# Altium PCB PLD.PcbDoc (part 5 of 5)
Units mm, origin at the board's own origin, x right, y up, seen from the top; angles counter-clockwise.
Board outline 90.25 x 94.44 mm, 6 copper layers (Top, GND, Signal Layer 1, Power, Signal2, Bottom), stack 1.297 mm thick; 378 components, 254 nets, 1301 pads, 704 vias.
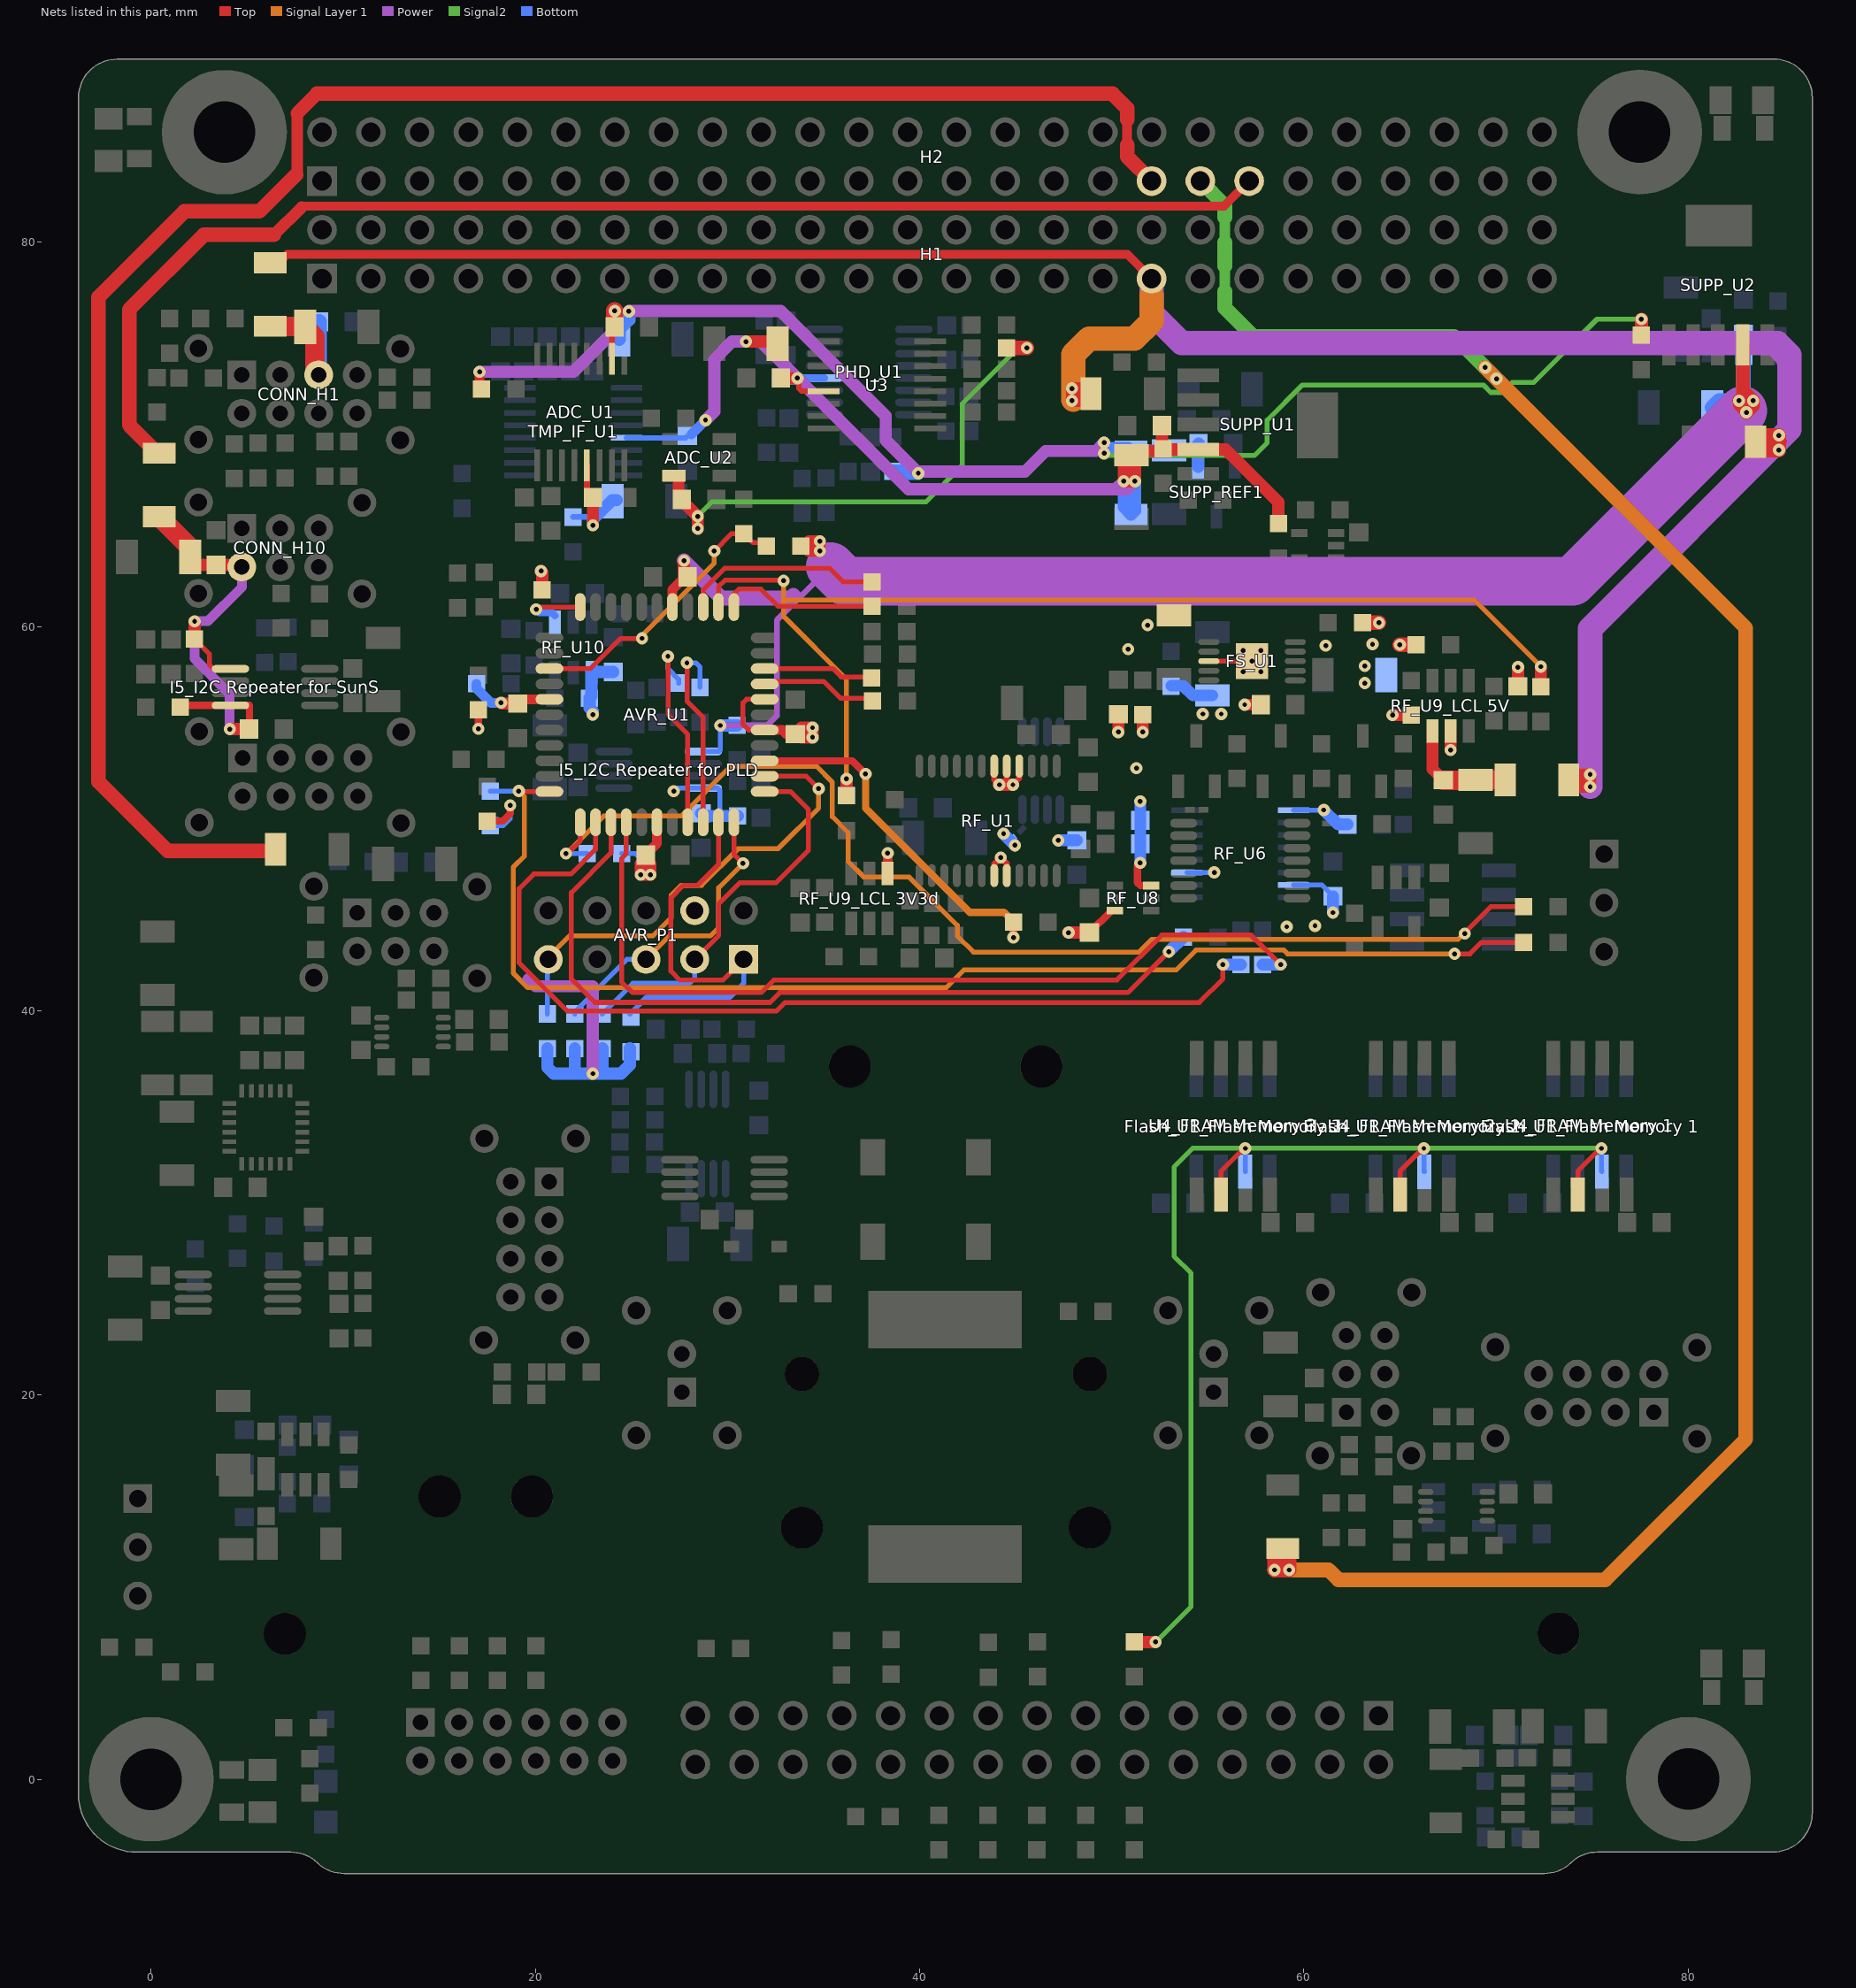
[diagram p9: the nets of this part, all layers, seen from the top]

## Via types
v1: diameter 0.635, hole 0.25, Top to Bottom, 701 vias
v2: diameter 0.7, hole 0.25, Top to Bottom, 3 vias

## Nets (pads, with @x,y where several pads share a name; then routed paths per layer and width w, separated by ;. In a path a pad name is that pad's centre, name@x,y a point inside that pad or via, vN(x,y) a via of type N, cw(c..) or ccw(c..) an arc to the next point about the centre after c; other vN are vias at no path point) (continued)
RADFET_EN: "RF_R9_LCL 3V3d.2" "RF_R9_LCL 5V.2" AVR_U1.35 RF_R13.2 | length 59.9
  Top w0.254: AVR_U1.35@29.528,61.012 29.528,62.07 29.866,62.408 32.711,62.408 32.737,62.383 v1(32.914,62.383)
  Top w0.635: 36.191,51.193 v1(36.191,52.071) ; 72.335,56.857 v1(72.335,57.913)
  Signal Layer 1 w0.254: v1(32.914,62.383) 32.914,61.367 ; v1(36.191,52.071) 36.191,57.252 32.914,60.529 32.914,61.367 ; v1(72.335,57.913) 68.881,61.367 32.914,61.367
  Bottom w0.635: RF_R13.2@36.191,51.193 v1(36.191,52.071)
RadFET_F\A\U\L\T\_3V3: AVR_U1.34 MCU_R17.1 | length 8.4
  Top w0.254: AVR_U1.34@30.328,61.012 30.328,61.697 30.582,61.951 31.738,61.951 32.627,61.062 MCU_R17.1@37.526,61.062
RadFET_F\A\U\L\T\_5V: AVR_U1.36 MCU_R16.1 | length 10.5
  Top w0.254: AVR_U1.36@28.728,61.012 28.728,61.916 29.842,63.031 35.318,63.031 36.017,62.332 MCU_R16.1@37.526,62.332
RADFET_MISO: AVR_U1.31 RF_R25.1 | length 5.8
  Top w0.254: AVR_U1.31@31.928,57.812 35.479,57.812 35.912,57.379 RF_R25.1@37.552,57.379
RADFET_MOSI: AVR_U1.30 RF_R2.1 | length 5.7
  Top w0.254: AVR_U1.30@32.254,57.151 34.997,57.151 35.886,56.262 RF_R2.1@37.552,56.262
RADFET_MUX_A0: AVR_U1.14 RF_R24.1 | length 42.8
  Top w0.254: AVR_U1.14@23.928,49.812 23.928,48.21 21.869,46.152 21.869,41.661 23.093,40.437 32.208,40.437 32.715,40.945 50.835,40.945 v1(52.969,43.078)
  Bottom w0.635: v1(52.969,43.078) RF_R24.1@53.731,43.841
RADFET_MUX_A1: AVR_U1.15 RF_R6.1 | length 45.7
  Top w0.254: AVR_U1.15@24.728,49.812 24.728,48.172 24.486,47.93 24.486,41.504 25.044,40.945 31.75,40.945 32.41,41.605 50.267,41.605 52.603,43.942 57.251,43.942 v1(58.786,42.408)
  Bottom w0.635: RF_R6.1@57.857,42.408 v1(58.786,42.408)
RADFET_MUX_EN: AVR_U1.13 RF_R23.1 | length 50.1
  Top w0.254: AVR_U1.13@23.128,49.812 23.128,48.401 21.844,47.117 19.914,47.117 19.152,46.355 19.152,42.494 20.665,40.981 21.666,39.98 32.538,39.98 32.995,40.437 54.556,40.437 55.785,41.666 v1(55.785,42.408)
  Bottom w0.635: v1(55.785,42.408) RF_R23.1@56.714,42.408
RADFET_TEMP_MUX: AVR_U1.25 RF_R7.1 | length 19.1
  Top w0.381: AVR_U1.25@31.928,53.012 36.494,53.012 v1(37.182,52.325) ; v1(44.882,43.816) RF_R7.1@44.882,44.623
  Signal Layer 1 w0.381: v1(37.182,52.325) 37.182,50.547 42.605,45.124 44.382,45.124 44.882,44.623 v1(44.882,43.816)
RF_5V: "RF_U9_LCL 5V.1" SUPP_C24.1 SUPP_C25.2 SUPP_FB8.2 | length 6
  Top w0.61: 66.686,54.571 66.686,52.574 SUPP_C25.2@67.255,52.005 ; SUPP_C24.1@68.918,52.005 SUPP_C24.1@68.932,52.019
  Top w1.016: SUPP_C25.2@67.255,52.005 SUPP_C24.1@68.918,52.005 ; SUPP_C24.1@68.932,52.019 SUPP_FB8.2@70.482,52.02 SUPP_FB8.2@70.482,52.02
RF_AGND: "RF_C22_LCL 5V.2" "RF_R19_LCL 5V.1" "RF_R20_LCL 5V.1" "RF_U9_LCL 5V.2" ADC_J2.1 FS_U1.8 FS_U1.11 RF_C5.2 RF_C9.1 RF_C10.2 RF_C11.2 RF_C12.2 RF_C13.2 RF_C14.2 RF_C15.2 RF_C16.2 RF_C17.1 RF_C19.2 RF_J1.2 RF_R10.1 RF_R11.1 RF_R12.1 RF_U1.7 RF_U1.8 RF_U1.16 RF_U1.17 RF_U1.18 RF_U6.3 RF_U6.9 RF_U6.15 RF_U8.3 RF_U8.6 | length 35.3
  Top w0.254: v1@51.329,47.549 v1(51.482,47.702) ; FS_U1.8@55.051,58.197 v1(57.301,58.197)
  Top w0.305: RF_U1.7@43.882,47.036 43.882,47.646 v1(44.217,47.981) 44.532,47.667 RF_U1.8@44.532,47.036 ; RF_U1.18@43.882,52.736 43.882,52.025 v1(44.141,51.766) ; 44.532,51.826 RF_U1.17@44.532,52.736 ; v1(44.852,51.766) 45.182,52.095 RF_U1.16@45.182,52.736
  Top w0.381: RF_C11.2@48.84,44.073 49.982,45.214 RF_U8.3@50.151,45.214 ; v1@51.329,47.549 51.329,46.686 51.501,46.514 RF_U8.6@52.051,46.514
  Top w0.61: v1@50.339,54.534 RF_C15.2@50.339,55.438 ; v1(51.609,54.509) RF_R10.1@51.609,55.412 ; v1(56.917,55.931) RF_C13.2@57.751,55.931 ; v1(64.614,55.391) 65.579,55.391 ; v1(67.636,53.569) 67.636,54.571
  Top w0.635: v1(44.141,51.766) v1(44.852,51.766) ; 71.141,56.882 v1(71.141,57.887)
  Top w0.66: v1(47.748,44.073) RF_C11.2@48.84,44.073
  Top w0.762: RF_R12.1@63.05,60.199 v1(63.902,60.199) ; v1(64.995,59.056) 65.836,59.056
  Bottom w0.254: RF_U6.3@53.914,47.202 v1(55.335,47.202) ; RF_U6.15@59.464,46.552 60.926,46.552 RF_C10.2@61.515,45.964 ; RF_U6.9@59.464,50.452 v1(61.032,50.452)
  Bottom w0.61: v1(47.215,48.87) 47.226,48.881 RF_C5.2@48.18,48.881 ; v1(51.482,47.702) RF_C19.2@51.482,48.692 RF_C17.1@51.482,49.912 v1(51.482,50.902) ; RF_R11.1@53.107,56.922 53.717,56.922 54.224,56.415 RF_C16.2@55.241,56.415 ; v1(61.032,50.452) 61.776,49.708 RF_C9.1@62.266,49.708 ; v1(61.515,45.111) RF_C10.2@61.515,45.964
  Bottom w0.635: v1(44.37,49.226) 44.37,49.2 v1(44.954,48.616)
  other v1: 59.106,44.374 60.579,44.425 51.279,52.629 50.339,54.509 54.733,55.449 55.698,55.449 63.167,57.056 56.844,57.641 57.758,57.641 63.167,57.945 56.844,58.753 57.758,58.753 50.847,58.827 61.134,59.005 63.572,59.081 51.863,60.072
RXD1: AVR_U1.11 MCU_R14.1 MCU_R18.2 | length 67
  Top w0.254: v1@19.128,51.412 AVR_U1.11@20.728,51.412 ; v1(67.843,42.966) 68.645,42.966 69.24,43.561 MCU_R14.1@71.439,43.561
  Signal Layer 1 w0.254: v1(19.128,51.437) 19.431,51.135 19.431,48.057 18.847,47.473 18.847,41.957 19.605,41.199 41.377,41.199 42.316,42.139 53.365,42.139 54.381,43.155 58.955,43.155 59.143,42.966 v1(67.843,42.966)
  Bottom w0.254: MCU_R18.2@17.653,51.437 v1(19.128,51.437)
SCK: ADC_R6.2 AVR_U1.3 MCU_R4.2 | length 14.8
  Top w0.254: AVR_U1.3@20.728,57.812 22.857,57.812 24.431,59.386 v1(25.548,59.386) ; v1(29.308,63.932) 30.196,64.821 ADC_R6.2@30.556,64.821 ; ADC_R6.2@30.928,64.638 31.125,64.835 31.125,64.557 31.318,64.364 31.837,64.364 MCU_R4.2@32.015,64.186
  Signal Layer 1 w0.254: v1(25.548,59.386) 25.548,59.538 29.308,63.297 v1(29.308,63.932)
SCK_R: "Flash_U1_Flash Memory 1.6" "Flash_U1_Flash Memory 2.6" "Flash_U1_Flash Memory 3.6" "U4_FRAM Memory 1.6" "U4_FRAM Memory 2.6" "U4_FRAM Memory 3.6" MEM_R3.2 | length 62.2
  Top w0.254: 55.688,30.428 55.688,31.665 56.864,32.841 v1(56.947,32.841) ; 65.009,30.428 65.009,31.665 66.186,32.841 v1(66.243,32.841) ; 74.255,30.428 74.255,31.665 75.431,32.841 v1(75.489,32.841)
  Top w0.635: MEM_R3.2@51.177,7.149 v1(52.28,7.149)
  Signal2 w0.254: v1(52.28,7.149) 54.123,8.992 54.123,26.34 53.234,27.229 53.234,31.865 54.21,32.841 v1(56.947,32.841) v1(66.243,32.841) v1(75.489,32.841)
  Bottom w0.254: 56.943,31.621 56.947,31.625 v1(56.947,32.841) ; v1(66.243,32.841) 66.243,31.643 66.265,31.621 ; v1(75.489,32.841) 75.489,31.643 75.511,31.621
SCL: "I3_I2C Repeater for PLD.1" AVR_U1.19 | length 10.7
  Top w0.254: v1(26.895,58.446) 26.895,55.423 27.928,54.39 AVR_U1.19@27.928,49.812
  Bottom w0.254: v1(26.895,58.446) 26.895,57.811 27.453,57.252 27.453,57.06
SDA: "I6_I2C Repeater for PLD.1" AVR_U1.20 | length 10.5
  Top w0.254: v1(27.885,58.116) 27.885,56.109 28.728,55.267 AVR_U1.20@28.728,49.812
  Bottom w0.254: v1(27.885,58.116) 28.342,58.116 28.571,57.887 28.571,56.831
SENS_3V3D: "I1_I2C Repeater for PLD.1" "I2_I2C Repeater for PLD.1" "I5_I2C Repeater for PLD.5" "I5_I2C Repeater for PLD.8" "I10_I2C Repeater for PLD.2" "RF_U9_LCL 3V3d.1" ADC_C11.1 ADC_C12.1 ADC_C13.1 ADC_U1.13 ADC_U2.5 AVR_C1.1 AVR_C2.1 AVR_C3.1 AVR_C4.1 AVR_P1.4 AVR_U1.5 AVR_U1.17 AVR_U1.27 AVR_U1.29 AVR_U1.38 HK_R1.1 MCU_R1.1 MCU_R2.1 MCU_R3.1 MCU_R4.1 MCU_R9.1 MCU_R10.1 MCU_R11.1 MCU_R12.1 MCU_R18.1 MCU_R19.1 R1.1 RF_C20.1 RF_R21.2 RF_R28.2 RF_U10.4 SUPP_C10.1 SUPP_C13.1 SUPP_R10.1 SUPP_U2.4 | length 178.2
  Top w0.254: AVR_U1.27@31.928,54.612 31.102,54.612 30.806,54.908 30.806,56.033 30.985,56.212 AVR_U1.29@31.928,56.212
  Top w0.305: ADC_U1.13@22.679,68.389 22.679,67.029 ADC_C13.1@22.989,66.719
  Top w0.381: v1(17.027,54.674) MCU_R3.1@17.027,55.674 ; MCU_R1.1@17.497,49.875 18.298,49.875 18.69,50.267 v1(18.69,50.699)
  Top w0.508: AVR_C4.1@19.071,55.993 19.29,56.212 AVR_U1.5@20.728,56.212 ; AVR_C2.1@25.741,48.108 26.328,48.695 AVR_U1.17@26.328,49.812 ; AVR_U1.38@27.128,61.012 27.128,61.919 AVR_C3.1@27.718,62.51 ; AVR_U1.27@31.928,54.612 32.851,54.612 AVR_C1.1@33.067,54.396 ; 38.335,47.158 v1(38.335,48.21)
  Top w0.6: ADC_U2.5@27.453,67.793 27.453,66.928 ADC_C12.1@27.612,66.769
  Top w0.635: v1(18.208,56.033) 18.248,55.993 AVR_C4.1@19.071,55.993 ; v1(20.291,62.891) 20.352,62.829 MCU_R2.1@20.352,61.9 ; v1(22.989,65.273) ADC_C13.1@22.989,66.719 ; ADC_C12.1@27.612,66.769 ADC_C12.1@27.612,66.617 27.612,66.568 v1(28.444,65.736) v1(28.444,65.101) ; AVR_C3.1@27.718,62.51 27.718,63.41 v1(27.733,63.424) ; v1(83.029,71.146) 82.648,71.527 v1(82.648,71.756) v1(83.384,71.756) ; v1(25.474,47.082) 25.978,47.082 25.978,47.653 25.726,47.905 25.474,47.653 v1(25.474,47.082) ; AVR_C1.1@33.6,54.484 33.852,54.735 34.423,54.735 v1(34.423,54.232) 33.852,54.232 AVR_C1.1@33.6,54.484 ; MCU_R4.1@33.981,64.186 34.233,63.935 v1(34.804,63.935) 34.804,64.438 34.233,64.438 MCU_R4.1@33.981,64.186
  Top w0.711: v1(82.648,71.756) 82.845,71.953 82.845,72.295 ; SUPP_U2.4@82.845,74.668 82.845,72.295 ; v1(83.029,71.146) 83.384,71.502 v1(83.384,71.756) 82.845,72.295
  Top w0.762: HK_R1.1@44.517,74.506 v1(45.582,74.506)
  Power w0.3: v1(29.623,54.852) 32.068,54.852 32.563,55.347 32.563,60.33 35.353,63.12 34.804,63.668 v1(34.804,63.935)
  Power w0.635: 19.643,41.644 20.011,41.276 22.983,41.276 v1(22.983,36.729)
  Power w0.762: v1(27.733,63.424) 29.676,61.481 33.288,61.481 33.428,61.621
  Power w2.54: 35.353,63.12 36.115,62.358 73.965,62.358 v1@82.842,71.234
  Signal2 w0.254: v1(28.444,65.736) 29.206,66.498 40.331,66.498 42.211,68.377 42.211,71.591 45.125,74.506 v1(45.582,74.506)
  Bottom w0.254: MCU_R18.1@17.653,49.637 18.319,49.637 18.69,50.009 v1(18.69,50.699) ; MCU_R19.1@24.497,48.184 25.222,48.184 25.474,47.932 v1(25.474,47.082) ; v1(27.199,51.436) 27.352,51.588 28.737,51.588 29.484,51.588 29.598,51.474 29.598,50.382 ; 28.737,53.493 29.535,53.493 29.623,53.582 v1(29.623,54.852)
  Bottom w0.3: RF_R28.2@21.946,65.695 22.915,65.695 22.989,65.769
  Bottom w0.508: R1.1@16.927,57.024 16.927,56.781 17.674,56.033 v1(18.208,56.033)
  Bottom w0.635: MCU_R12.1@20.621,38.039 20.621,37.059 20.951,36.729 22.069,36.729 ; MCU_R11.1@22.052,38.039 22.052,36.746 22.069,36.729 ; v1(22.983,55.423) 22.983,55.591 22.816,55.758 RF_R21.2@22.816,56.276 22.917,56.377 RF_U10.4@22.917,57.608 22.946,57.637 RF_C20.1@24.05,57.637 ; v1(22.989,65.273) 22.989,65.585 23.987,66.583 ADC_C11.1@24.235,66.583 ; MCU_R10.1@23.483,38.039 23.483,36.788 23.542,36.729 ; MCU_R9.1@24.913,38.039 24.913,37.186 24.456,36.729 23.542,36.729 ; 28.622,50.278 28.758,50.142 30.527,50.142 ; v1(29.623,54.852) 30.49,54.852 30.501,54.863 ; 22.069,36.729 v1(22.983,36.729) 23.542,36.729
  Bottom w0.762: SUPP_C13.1@82.876,75.224 82.876,71.984 ; v1(82.648,71.756) 82.876,71.984 ; v1(82.648,71.756) 81.605,71.756 SUPP_C10.1@81.25,71.4 81.504,71.146 v1(83.029,71.146) ; v1(82.648,71.756) 83.029,71.375 v1(83.029,71.146) ; 82.876,71.984 83.156,71.984 v1(83.384,71.756) 83.384,71.502 v1(83.029,71.146)
  other v1: 25.98,47.082 34.423,54.737 34.804,64.44
SENS_4V1A: ADC_C5.1 ADC_C10.1 ADC_U1.2 PHD_R6.1 SUPP_C1.1 SUPP_C4.1 SUPP_R2.1 SUPP_R8.1 SUPP_REF1.1 TMPI_R1.2 | length 84.9
  Top w0.305: ADC_U1.2@23.979,73.939 23.979,75.307 ADC_C5.1@24.27,75.598
  Top w0.508: TMPI_R1.2@17.09,72.365 v1(17.09,73.254)
  Top w0.686: SUPP_R8.1@77.568,75.17 v1(77.568,75.997)
  Top w0.889: ADC_C5.1@24.126,75.742 v1(24.126,76.429)
  Power w0.635: v1(17.09,73.254) 21.967,73.254 24.126,75.413 v1(24.126,76.429) ; v1@24.863,76.429 32.769,76.429 38.23,70.968 38.23,69.694 39.852,68.073 45.487,68.073 46.553,69.138 49.169,69.138 v1(49.602,69.571)
  Signal2 w0.254: v1@49.666,68.898 57.414,68.898 58.086,69.57 58.086,70.74 59.915,72.568 69.348,72.568 69.729,72.187 70.318,72.187 70.826,72.695 71.954,72.695 75.256,75.997 v1(77.568,75.997)
  Bottom w0.635: v1@49.577,69.292 50.846,69.292 SUPP_R2.1@50.999,69.138 ; SUPP_R2.1@51.025,69.164 SUPP_C1.1@52.98,69.164 54.302,69.164 54.479,68.987 ; SUPP_REF1.1@54.494,68.316 54.494,69.496 SUPP_C4.1@54.519,69.52
  Bottom w0.686: v1(24.126,76.429) 24.356,76.2 ADC_C10.1@24.356,75.465 ; ADC_C10.1@24.356,74.956 ADC_C10.1@24.356,75.465 ; v1(24.863,76.404) 24.863,75.972 ADC_C10.1@24.356,75.465 ; PHD_R6.1@38.603,68.083 39.283,68.083 39.388,67.978 v1(39.925,67.978)
  other v1: 49.602,69.012
SENS_4V5A: ADC_MUX_C1.1 PHD_C5.1 PHD_C6.2 PHD_U1.4 SUPP_C5.1 SUPP_C6.1 SUPP_R2.2 SUPP_R3.1 SUPP_U1.4 TMP_IF_C1.1 TMP_IF_U1.13 TMP_LMT_R1.2 U3.13 | length 62.7
  Top w0.279: v1(33.634,72.931) 33.711,72.855 33.711,72.397 33.858,72.25 U3.13@35,72.25
  Top w0.635: v1(30.959,74.829) 32.507,74.829 PHD_C5.1@32.609,74.727 ; ADC_MUX_C1.1@32.782,72.931 v1(33.634,72.931) ; SUPP_C5.1@52.61,70.46 52.61,69.317 SUPP_R3.1@52.676,69.252 ; TMP_LMT_R1.2@58.67,65.366 58.67,66.472 55.921,69.221 SUPP_U1.4@54.501,69.221 52.706,69.221 SUPP_R3.1@52.676,69.252 ; SUPP_C6.1@51.025,69.138 52.562,69.138 SUPP_R3.1@52.676,69.252 ; SUPP_C6.1@51.025,69.138 51.202,68.961 v1(51.202,67.565) v1(50.618,67.565) 50.618,68.732 SUPP_C6.1@51.025,69.138
  Power w0.635: v1(28.85,70.74) 29.308,71.197 29.308,73.903 30.234,74.829 v1(30.959,74.829) 31.736,74.829 v1(33.634,72.931) 39.426,67.14 50.193,67.14 ; 50.193,67.14 v1(50.618,67.565) v1@50.999,67.565 ; 50.193,67.14 50.574,67.14 ; 50.574,67.14 50.777,67.14 v1(51.202,67.565) v1@50.999,67.565 ; 50.574,67.14 v1@50.999,67.565
  Bottom w0.279: TMP_IF_U1.13@24.739,69.824 27.822,69.824 TMP_IF_C1.1@27.911,69.912
  Bottom w0.381: v1(33.634,72.931) 33.636,72.933 PHD_U1.4@35.044,72.933
  Bottom w0.508: TMP_IF_C1.1@28.108,69.997 v1(28.85,70.74)
  Bottom w0.635: PHD_C6.2@32.782,72.931 v1(33.634,72.931) ; v1(51.202,67.565) 51.202,66.042 SUPP_R2.2@50.999,65.838 ; SUPP_R2.2@50.999,65.838 50.999,67.565 v1(50.618,67.565) 50.618,66.219 SUPP_R2.2@50.999,65.838
STACK_CAM_NADIR_3V3: H2.37 SUPP_FB4.1 | length 115.4
  Top w0.508: SUPP_FB4.1@58.899,12.016 SUPP_FB4.1@58.949,12.067
  Top w0.762: v1(58.467,10.897) v1(59.229,10.897) 59.229,11.686 SUPP_FB4.1@58.899,12.016 58.467,11.584 v1(58.467,10.897)
  Signal2 w0.559: 55.881,77.457 55.881,78.762 ; 55.881,79.997 55.881,81.302
  Signal2 w0.762: H2.37@54.61,83.19 55.881,81.919 55.881,81.302 ; 55.881,77.457 55.881,76.586 57.358,75.108 67.814,75.108 v1(69.44,73.483) v1(70.024,72.899) ; 55.881,78.762 55.881,79.997
  Signal Layer 1 w0.762: v1(58.467,10.897) v1(59.229,10.897) 61.286,10.897 61.794,10.389 75.688,10.389 82.991,17.692 82.991,59.932 v1(70.024,72.899) v1(69.44,73.483)
STACK_CAM_WING_3V3: H2.35 SUPP_FB2.1 | length 99.8
  Top w0.508: 50.8,85.077 50.8,86.382
  Top w0.6: 7.594,83.57 7.594,86.708
  Top w0.7: 7.594,86.708 8.618,87.732
  Top w0.762: SUPP_FB2.1@6.067,48.322 0.853,48.322 -2.747,51.922 -2.747,77.14 1.723,81.61 5.634,81.61 7.531,83.507 ; 8.618,87.732 50.037,87.732 50.8,86.97 50.8,86.382 ; 50.8,85.077 50.8,84.46 H2.35@52.07,83.19
STACK_SENS_5V: H1.35 SUPP_FB1.1 SUPP_FB3.1 SUPP_FB7.1 SUPP_FB8.1 | length 132.8
  Top w0.45: SUPP_FB7.1@6.635,78.928 7.074,79.367 50.813,79.367 H1.35@52.071,78.11
  Top w0.508: SUPP_FB3.1@83.51,69.622 83.61,69.622 84.729,69.622 84.883,69.622
  Top w0.559: SUPP_FB7.1@6.204,78.928 SUPP_FB7.1@6.635,78.928
  Top w0.635: SUPP_FB8.1@74.048,51.664 v1(74.901,51.664) v1(74.901,52.299) SUPP_FB8.1@74.048,52.299 ; v1(47.926,71.756) 48.562,71.756 SUPP_FB1.1@48.917,72.111 48.638,72.391 v1(47.926,72.391) v1(47.926,71.756)
  Top w0.762: SUPP_FB3.1@83.61,69.622 84.042,69.19 v1(84.729,69.19) 84.729,69.622 v1(84.729,69.952) 83.94,69.952 SUPP_FB3.1@83.61,69.622
  Power w0.508: v1(47.926,71.756) v1(47.926,72.391) ; 83.943,74.753 85.15,73.546 85.15,71.631
  Power w1.27: H1.35@52.071,78.11 52.071,76.323 53.641,74.753 83.943,74.753 84.654,74.753 85.277,74.131 85.277,70.265 74.901,59.889 v1(74.901,52.299) v1(74.901,51.664)
  Signal Layer 1 w0.508: 52.071,77.247 H1.35@52.071,78.11
  Signal Layer 1 w1.27: v1@47.986,71.816 47.986,74.153 48.815,74.981 51.177,74.981 52.071,75.875 52.071,77.247
STACK_SUNS_3V3: H2.39 SUPP_FB6.1 | length 69.2
  Top w0.45: 7.836,81.882 55.842,81.882 H2.39@57.15,83.19
  Top w0.6: 6.397,80.392 7.836,81.83
  Top w0.762: SUPP_FB6.1@0.413,69.022 0.317,69.022 0.309,69.03 -0.321,69.66 -1.147,70.486 -1.147,76.505 2.739,80.392 6.397,80.392
SUNS_3V3: "I1_I2C Repeater for SunS.1" "I2_I2C Repeater for SunS.1" "I5_I2C Repeater for SunS.5" "I5_I2C Repeater for SunS.8" "I10_I2C Repeater for SunS.2" CONN_H10.4 SUPP_C19.1 SUPP_C20.1 SUPP_FB6.2 | length 26.7
  Top w0.254: 2.257,59.346 3.037,58.566 3.037,57.996 3.235,57.798 4.123,57.798
  Top w0.381: 1.506,55.804 1.595,55.893 4.123,55.893 5.114,55.893 5.114,54.685 5.09,54.661
  Top w0.635: SUPP_C20.1@2.002,63.628 2.419,63.21 SUPP_C19.1@3.374,63.21 4.605,63.21 CONN_H10.4@4.714,63.101 ; 2.257,59.346 v1(2.257,60.275) ; v1(4.085,54.661) 5.09,54.661
  Top w1.016: SUPP_FB6.2@0.413,65.722 2.002,64.133 SUPP_C20.1@2.002,63.628
  Power w0.254: 4.085,56.49 4.085,56.643 ; CONN_H10.4@4.714,63.101 CONN_H10.4@5.101,62.714
  Power w0.508: v1(4.085,54.661) 4.085,56.49 2.257,58.319 v1(2.257,60.275) 2.942,60.275 4.714,62.046 CONN_H10.4@4.714,63.101
SUNSREF_5V: CONN_H1.3 SUPP_C7.1 SUPP_C23.2 SUPP_FB7.2 | length 7.4
  Top w1.016: SUPP_FB7.2@6.204,75.628 7.982,75.628 SUPP_C7.1@8.008,75.601 8.53,75.079 8.53,73.285 CONN_H1.3@8.714,73.101
  Bottom w0.8: CONN_H1.3@8.733,73.12 SUPP_C23.2@8.733,75.855
  Bottom w1.016: CONN_H1.3@8.714,73.101 CONN_H1.3@8.733,73.12
TCK: AVR_P1.1 AVR_U1.21 MCU_R9.2 | length 21.5
  Top w0.254: AVR_U1.21@29.528,49.812 29.528,47.616 28.446,46.533 27.707,46.533 27.047,45.873 27.047,42.063 27.518,41.592 29.751,41.592 AVR_P1.1@30.832,42.673
  Bottom w0.254: MCU_R9.2@24.913,39.839 25.777,40.702 30.106,40.702 30.832,41.428 AVR_P1.1@30.832,42.673
TDI: AVR_P1.9 AVR_U1.24 MCU_R12.2 | length 25.1
  Top w0.254: AVR_P1.9@20.646,42.647 AVR_P1.9@20.672,42.673 ; AVR_U1.24@31.928,52.212 34.094,52.212 v1(34.743,51.563)
  Signal Layer 1 w0.254: AVR_P1.9@20.672,42.673 20.672,42.8 21.764,43.892 26.107,43.892 27.072,44.857 27.072,46.025 27.58,46.533 28.647,46.533 30.552,48.438 32.635,48.438 34.743,50.547 v1(34.743,51.563)
  Bottom w0.254: MCU_R12.2@20.621,39.839 20.621,42.622 AVR_P1.9@20.672,42.673
TDO: AVR_P1.3 AVR_U1.23 MCU_R10.2 | length 20.6
  Top w0.254: AVR_P1.3@28.292,42.673 29.536,43.917 29.536,45.568 30.628,46.66 32.522,46.66 34.21,48.348 34.21,50.47 33.268,51.412 AVR_U1.23@31.928,51.412
  Bottom w0.254: MCU_R10.2@23.483,39.839 25.072,41.428 28.012,41.428 28.292,41.707 AVR_P1.3@28.292,42.673
TMS: AVR_P1.5 AVR_U1.22 MCU_R11.2 | length 15.6
  Top w0.254: AVR_U1.22@30.328,49.812 30.328,48.155 v1(30.806,47.676)
  Signal Layer 1 w0.254: AVR_P1.5@25.752,42.673 26.971,43.892 29.104,43.892 29.536,44.324 29.536,46.406 v1(30.806,47.676)
  Bottom w0.254: MCU_R11.2@22.052,39.839 22.052,39.963 24.761,42.673 AVR_P1.5@25.752,42.673
TXD1: AVR_U1.12 MCU_R15.1 MCU_R19.2 | length 62.1
  Top w0.254: v1@21.59,48.311 21.793,48.311 22.328,48.845 AVR_U1.12@22.328,49.812 ; v1(68.377,44.018) 68.377,44.069 69.723,45.415 MCU_R15.1@71.439,45.415
  Signal Layer 1 w0.254: v1(21.59,48.184) 23.546,50.14 27.578,50.14 30.169,52.73 34.62,52.73 35.458,51.892 35.458,50.1 36.271,49.287 36.271,47.777 37.084,46.965 39.446,46.965 41.961,44.45 41.961,43.891 42.799,43.053 51.41,43.053 52.083,43.726 68.034,43.726 68.326,44.018 v1(68.377,44.018)
  Bottom w0.254: v1(21.59,48.184) v1@21.616,48.21 ; v1@21.616,48.184 MCU_R19.2@22.697,48.184
WDG: AVR_U1.44 RF_U10.1 | length 3.5
  Top w0.254: v1(20.037,60.899) 20.149,61.012 AVR_U1.44@22.328,61.012
  Bottom w0.381: v1(20.037,60.899) 20.197,60.739 20.836,60.739 RF_U10.1@21.017,60.558
pads on no net: AVR_P1.7 AVR_P1.8 AVR_U1.7 AVR_U1.8 AVR_U1.16 AVR_U1.37 FS_U1.4 Gyro_U1.2 Gyro_U1.3 Gyro_U1.4 Gyro_U1.5 Gyro_U1.6 Gyro_U1.7 Gyro_U1.12 Gyro_U1.14 Gyro_U1.15 Gyro_U1.16 Gyro_U1.17 Gyro_U1.19 Gyro_U1.21 Gyro_U1.22 H1.1 H1.2 H1.3 H1.4 H1.5 H1.6 H1.7 H1.8 H1.10 H1.12 H1.14 H1.16 H1.18 H1.19 H1.20 H1.22 H1.24 H1.25 H1.26 H1.27 H1.28 H1.29 H1.30 H1.31 H1.32 H1.36 H1.42 H1.44 H1.45 H1.46 H1.47 H1.48 H1.49 H1.50 H1.51 H1.52 H2.1 H2.2 H2.3 H2.4 H2.5 H2.6 H2.7 H2.8 H2.9 H2.10 H2.11 H2.12 H2.13 H2.14 H2.15 H2.16 H2.17 H2.18 H2.19 H2.20 H2.21 H2.22 H2.23 H2.24 H2.25 H2.26 H2.31 H2.33 H2.34 H2.36 H2.38 H2.40 H2.41 H2.42 H2.43 H2.44 H2.45 H2.46 H2.47 H2.48 H2.49 H2.50 H2.51 H2.52 Piggyback_H1.1 Piggyback_H1.2 Piggyback_H1.3 Piggyback_H1.4 Piggyback_H1.8 Piggyback_H1.10 RF_U1.3 RF_U7.4 RF_U7.5 RF_U7.9 RF_Z1.1 RF_Z1.2 RF_Z1.3 RF_Z1.7 RTC_U1.3 RTC_U1.7 U3.10